# KiCad board demomatrix.kicad_pcb (continued)
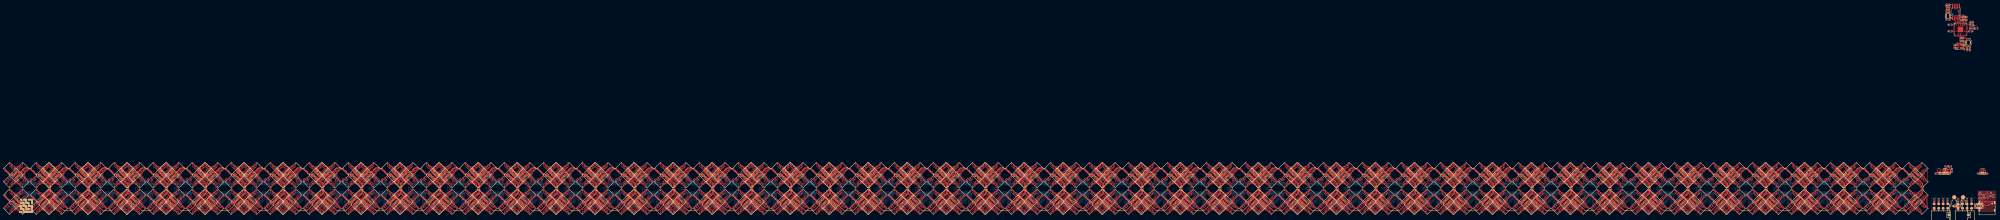
[diagram p0: board, top side]
## Placement (name value [footprint] x y rotation side) (continued)
LED294  -  [LED-SMD_8P-L5.0-W5.0-P1.20_HL-5050RGBW-S1-A27]  -862.99 24.29 315 top
LED295  -  [LED-SMD_8P-L5.0-W5.0-P1.20_HL-5050RGBW-S1-A27]  -862.99 16.89 225 top
LED296  -  [LED-SMD_8P-L5.0-W5.0-P1.20_HL-5050RGBW-S1-A27]  -870.39 16.89 135 top
LED297  -  [LED-SMD_8P-L5.0-W5.0-P1.20_HL-5050RGBW-S1-A27]  -885.39 9.29 45 top
LED298  -  [LED-SMD_8P-L5.0-W5.0-P1.20_HL-5050RGBW-S1-A27]  -877.99 9.29 315 top
LED299  -  [LED-SMD_8P-L5.0-W5.0-P1.20_HL-5050RGBW-S1-A27]  -877.99 1.89 225 top
LED300  -  [LED-SMD_8P-L5.0-W5.0-P1.20_HL-5050RGBW-S1-A27]  -885.39 1.89 135 top
LED301  -  [LED-SMD_8P-L5.0-W5.0-P1.20_HL-5050RGBW-S1-A27]  -870.39 9.29 45 top
LED302  -  [LED-SMD_8P-L5.0-W5.0-P1.20_HL-5050RGBW-S1-A27]  -862.99 9.29 315 top
LED303  -  [LED-SMD_8P-L5.0-W5.0-P1.20_HL-5050RGBW-S1-A27]  -862.99 1.89 225 top
LED304  -  [LED-SMD_8P-L5.0-W5.0-P1.20_HL-5050RGBW-S1-A27]  -870.39 1.89 135 top
LED305  -  [LED-SMD_8P-L5.0-W5.0-P1.20_HL-5050RGBW-S1-A27]  -863.39 24.29 45 top
LED306  -  [LED-SMD_8P-L5.0-W5.0-P1.20_HL-5050RGBW-S1-A27]  -855.99 24.29 315 top
LED307  -  [LED-SMD_8P-L5.0-W5.0-P1.20_HL-5050RGBW-S1-A27]  -855.99 16.89 225 top
LED308  -  [LED-SMD_8P-L5.0-W5.0-P1.20_HL-5050RGBW-S1-A27]  -863.39 16.89 135 top
LED309  -  [LED-SMD_8P-L5.0-W5.0-P1.20_HL-5050RGBW-S1-A27]  -848.39 24.29 45 top
LED310  -  [LED-SMD_8P-L5.0-W5.0-P1.20_HL-5050RGBW-S1-A27]  -840.99 24.29 315 top
LED311  -  [LED-SMD_8P-L5.0-W5.0-P1.20_HL-5050RGBW-S1-A27]  -840.99 16.89 225 top
LED312  -  [LED-SMD_8P-L5.0-W5.0-P1.20_HL-5050RGBW-S1-A27]  -848.39 16.89 135 top
LED313  -  [LED-SMD_8P-L5.0-W5.0-P1.20_HL-5050RGBW-S1-A27]  -863.39 9.29 45 top
LED314  -  [LED-SMD_8P-L5.0-W5.0-P1.20_HL-5050RGBW-S1-A27]  -855.99 9.29 315 top
LED315  -  [LED-SMD_8P-L5.0-W5.0-P1.20_HL-5050RGBW-S1-A27]  -855.99 1.89 225 top
LED316  -  [LED-SMD_8P-L5.0-W5.0-P1.20_HL-5050RGBW-S1-A27]  -863.39 1.89 135 top
LED317  -  [LED-SMD_8P-L5.0-W5.0-P1.20_HL-5050RGBW-S1-A27]  -848.39 9.29 45 top
LED318  -  [LED-SMD_8P-L5.0-W5.0-P1.20_HL-5050RGBW-S1-A27]  -840.99 9.29 315 top
LED319  -  [LED-SMD_8P-L5.0-W5.0-P1.20_HL-5050RGBW-S1-A27]  -840.99 1.89 225 top
LED320  -  [LED-SMD_8P-L5.0-W5.0-P1.20_HL-5050RGBW-S1-A27]  -848.39 1.89 135 top
LED321  -  [LED-SMD_8P-L5.0-W5.0-P1.20_HL-5050RGBW-S1-A27]  -819.39 24.29 45 top
LED322  -  [LED-SMD_8P-L5.0-W5.0-P1.20_HL-5050RGBW-S1-A27]  -811.99 24.29 315 top
LED323  -  [LED-SMD_8P-L5.0-W5.0-P1.20_HL-5050RGBW-S1-A27]  -811.99 16.89 225 top
LED324  -  [LED-SMD_8P-L5.0-W5.0-P1.20_HL-5050RGBW-S1-A27]  -819.39 16.89 135 top
LED325  -  [LED-SMD_8P-L5.0-W5.0-P1.20_HL-5050RGBW-S1-A27]  -804.39 24.29 45 top
LED326  -  [LED-SMD_8P-L5.0-W5.0-P1.20_HL-5050RGBW-S1-A27]  -796.99 24.29 315 top
LED327  -  [LED-SMD_8P-L5.0-W5.0-P1.20_HL-5050RGBW-S1-A27]  -796.99 16.89 225 top
LED328  -  [LED-SMD_8P-L5.0-W5.0-P1.20_HL-5050RGBW-S1-A27]  -804.39 16.89 135 top
LED329  -  [LED-SMD_8P-L5.0-W5.0-P1.20_HL-5050RGBW-S1-A27]  -819.39 9.29 45 top
LED330  -  [LED-SMD_8P-L5.0-W5.0-P1.20_HL-5050RGBW-S1-A27]  -811.99 9.29 315 top
LED331  -  [LED-SMD_8P-L5.0-W5.0-P1.20_HL-5050RGBW-S1-A27]  -811.99 1.89 225 top
LED332  -  [LED-SMD_8P-L5.0-W5.0-P1.20_HL-5050RGBW-S1-A27]  -819.39 1.89 135 top
LED333  -  [LED-SMD_8P-L5.0-W5.0-P1.20_HL-5050RGBW-S1-A27]  -804.39 9.29 45 top
LED334  -  [LED-SMD_8P-L5.0-W5.0-P1.20_HL-5050RGBW-S1-A27]  -796.99 9.29 315 top
LED335  -  [LED-SMD_8P-L5.0-W5.0-P1.20_HL-5050RGBW-S1-A27]  -796.99 1.89 225 top
LED336  -  [LED-SMD_8P-L5.0-W5.0-P1.20_HL-5050RGBW-S1-A27]  -804.39 1.89 135 top
LED337  -  [LED-SMD_8P-L5.0-W5.0-P1.20_HL-5050RGBW-S1-A27]  -797.39 24.29 45 top
LED338  -  [LED-SMD_8P-L5.0-W5.0-P1.20_HL-5050RGBW-S1-A27]  -789.99 24.29 315 top
LED339  -  [LED-SMD_8P-L5.0-W5.0-P1.20_HL-5050RGBW-S1-A27]  -789.99 16.89 225 top
LED340  -  [LED-SMD_8P-L5.0-W5.0-P1.20_HL-5050RGBW-S1-A27]  -797.39 16.89 135 top
LED341  -  [LED-SMD_8P-L5.0-W5.0-P1.20_HL-5050RGBW-S1-A27]  -782.39 24.29 45 top
LED342  -  [LED-SMD_8P-L5.0-W5.0-P1.20_HL-5050RGBW-S1-A27]  -774.99 24.29 315 top
LED343  -  [LED-SMD_8P-L5.0-W5.0-P1.20_HL-5050RGBW-S1-A27]  -774.99 16.89 225 top
LED344  -  [LED-SMD_8P-L5.0-W5.0-P1.20_HL-5050RGBW-S1-A27]  -782.39 16.89 135 top
LED345  -  [LED-SMD_8P-L5.0-W5.0-P1.20_HL-5050RGBW-S1-A27]  -797.39 9.29 45 top
LED346  -  [LED-SMD_8P-L5.0-W5.0-P1.20_HL-5050RGBW-S1-A27]  -789.99 9.29 315 top
LED347  -  [LED-SMD_8P-L5.0-W5.0-P1.20_HL-5050RGBW-S1-A27]  -789.99 1.89 225 top
LED348  -  [LED-SMD_8P-L5.0-W5.0-P1.20_HL-5050RGBW-S1-A27]  -797.39 1.89 135 top
LED349  -  [LED-SMD_8P-L5.0-W5.0-P1.20_HL-5050RGBW-S1-A27]  -782.39 9.29 45 top
LED350  -  [LED-SMD_8P-L5.0-W5.0-P1.20_HL-5050RGBW-S1-A27]  -774.99 9.29 315 top
LED351  -  [LED-SMD_8P-L5.0-W5.0-P1.20_HL-5050RGBW-S1-A27]  -774.99 1.89 225 top
LED352  -  [LED-SMD_8P-L5.0-W5.0-P1.20_HL-5050RGBW-S1-A27]  -782.39 1.89 135 top
LED353  -  [LED-SMD_8P-L5.0-W5.0-P1.20_HL-5050RGBW-S1-A27]  -775.39 24.29 45 top
LED354  -  [LED-SMD_8P-L5.0-W5.0-P1.20_HL-5050RGBW-S1-A27]  -767.99 24.29 315 top
LED355  -  [LED-SMD_8P-L5.0-W5.0-P1.20_HL-5050RGBW-S1-A27]  -767.99 16.89 225 top
LED356  -  [LED-SMD_8P-L5.0-W5.0-P1.20_HL-5050RGBW-S1-A27]  -775.39 16.89 135 top
LED357  -  [LED-SMD_8P-L5.0-W5.0-P1.20_HL-5050RGBW-S1-A27]  -760.39 24.29 45 top
LED358  -  [LED-SMD_8P-L5.0-W5.0-P1.20_HL-5050RGBW-S1-A27]  -752.99 24.29 315 top
LED359  -  [LED-SMD_8P-L5.0-W5.0-P1.20_HL-5050RGBW-S1-A27]  -752.99 16.89 225 top
LED360  -  [LED-SMD_8P-L5.0-W5.0-P1.20_HL-5050RGBW-S1-A27]  -760.39 16.89 135 top
LED361  -  [LED-SMD_8P-L5.0-W5.0-P1.20_HL-5050RGBW-S1-A27]  -775.39 9.29 45 top
LED362  -  [LED-SMD_8P-L5.0-W5.0-P1.20_HL-5050RGBW-S1-A27]  -767.99 9.29 315 top
LED363  -  [LED-SMD_8P-L5.0-W5.0-P1.20_HL-5050RGBW-S1-A27]  -767.99 1.89 225 top
LED364  -  [LED-SMD_8P-L5.0-W5.0-P1.20_HL-5050RGBW-S1-A27]  -775.39 1.89 135 top
LED365  -  [LED-SMD_8P-L5.0-W5.0-P1.20_HL-5050RGBW-S1-A27]  -760.39 9.29 45 top
LED366  -  [LED-SMD_8P-L5.0-W5.0-P1.20_HL-5050RGBW-S1-A27]  -752.99 9.29 315 top
LED367  -  [LED-SMD_8P-L5.0-W5.0-P1.20_HL-5050RGBW-S1-A27]  -752.99 1.89 225 top
LED368  -  [LED-SMD_8P-L5.0-W5.0-P1.20_HL-5050RGBW-S1-A27]  -760.39 1.89 135 top
LED369  -  [LED-SMD_8P-L5.0-W5.0-P1.20_HL-5050RGBW-S1-A27]  -753.39 24.29 45 top
LED370  -  [LED-SMD_8P-L5.0-W5.0-P1.20_HL-5050RGBW-S1-A27]  -745.99 24.29 315 top
LED371  -  [LED-SMD_8P-L5.0-W5.0-P1.20_HL-5050RGBW-S1-A27]  -745.99 16.89 225 top
LED372  -  [LED-SMD_8P-L5.0-W5.0-P1.20_HL-5050RGBW-S1-A27]  -753.39 16.89 135 top
LED373  -  [LED-SMD_8P-L5.0-W5.0-P1.20_HL-5050RGBW-S1-A27]  -738.39 24.29 45 top
LED374  -  [LED-SMD_8P-L5.0-W5.0-P1.20_HL-5050RGBW-S1-A27]  -730.99 24.29 315 top
LED375  -  [LED-SMD_8P-L5.0-W5.0-P1.20_HL-5050RGBW-S1-A27]  -730.99 16.89 225 top
LED376  -  [LED-SMD_8P-L5.0-W5.0-P1.20_HL-5050RGBW-S1-A27]  -738.39 16.89 135 top
LED377  -  [LED-SMD_8P-L5.0-W5.0-P1.20_HL-5050RGBW-S1-A27]  -753.39 9.29 45 top
LED378  -  [LED-SMD_8P-L5.0-W5.0-P1.20_HL-5050RGBW-S1-A27]  -745.99 9.29 315 top
LED379  -  [LED-SMD_8P-L5.0-W5.0-P1.20_HL-5050RGBW-S1-A27]  -745.99 1.89 225 top
LED380  -  [LED-SMD_8P-L5.0-W5.0-P1.20_HL-5050RGBW-S1-A27]  -753.39 1.89 135 top
LED381  -  [LED-SMD_8P-L5.0-W5.0-P1.20_HL-5050RGBW-S1-A27]  -738.39 9.29 45 top
LED382  -  [LED-SMD_8P-L5.0-W5.0-P1.20_HL-5050RGBW-S1-A27]  -730.99 9.29 315 top
LED383  -  [LED-SMD_8P-L5.0-W5.0-P1.20_HL-5050RGBW-S1-A27]  -730.99 1.89 225 top
LED384  -  [LED-SMD_8P-L5.0-W5.0-P1.20_HL-5050RGBW-S1-A27]  -738.39 1.89 135 top
LED385  -  [LED-SMD_8P-L5.0-W5.0-P1.20_HL-5050RGBW-S1-A27]  -731.39 24.29 45 top
LED386  -  [LED-SMD_8P-L5.0-W5.0-P1.20_HL-5050RGBW-S1-A27]  -723.99 24.29 315 top
LED387  -  [LED-SMD_8P-L5.0-W5.0-P1.20_HL-5050RGBW-S1-A27]  -723.99 16.89 225 top
LED388  -  [LED-SMD_8P-L5.0-W5.0-P1.20_HL-5050RGBW-S1-A27]  -731.39 16.89 135 top
LED389  -  [LED-SMD_8P-L5.0-W5.0-P1.20_HL-5050RGBW-S1-A27]  -716.39 24.29 45 top
LED390  -  [LED-SMD_8P-L5.0-W5.0-P1.20_HL-5050RGBW-S1-A27]  -708.99 24.29 315 top
LED391  -  [LED-SMD_8P-L5.0-W5.0-P1.20_HL-5050RGBW-S1-A27]  -708.99 16.89 225 top
LED392  -  [LED-SMD_8P-L5.0-W5.0-P1.20_HL-5050RGBW-S1-A27]  -716.39 16.89 135 top
LED393  -  [LED-SMD_8P-L5.0-W5.0-P1.20_HL-5050RGBW-S1-A27]  -731.39 9.29 45 top
LED394  -  [LED-SMD_8P-L5.0-W5.0-P1.20_HL-5050RGBW-S1-A27]  -723.99 9.29 315 top
LED395  -  [LED-SMD_8P-L5.0-W5.0-P1.20_HL-5050RGBW-S1-A27]  -723.99 1.89 225 top
LED396  -  [LED-SMD_8P-L5.0-W5.0-P1.20_HL-5050RGBW-S1-A27]  -731.39 1.89 135 top
LED397  -  [LED-SMD_8P-L5.0-W5.0-P1.20_HL-5050RGBW-S1-A27]  -716.39 9.29 45 top
LED398  -  [LED-SMD_8P-L5.0-W5.0-P1.20_HL-5050RGBW-S1-A27]  -708.99 9.29 315 top
LED399  -  [LED-SMD_8P-L5.0-W5.0-P1.20_HL-5050RGBW-S1-A27]  -708.99 1.89 225 top
LED400  -  [LED-SMD_8P-L5.0-W5.0-P1.20_HL-5050RGBW-S1-A27]  -716.39 1.89 135 top
LED401  -  [LED-SMD_8P-L5.0-W5.0-P1.20_HL-5050RGBW-S1-A27]  -709.39 24.29 45 top
LED402  -  [LED-SMD_8P-L5.0-W5.0-P1.20_HL-5050RGBW-S1-A27]  -701.99 24.29 315 top
LED403  -  [LED-SMD_8P-L5.0-W5.0-P1.20_HL-5050RGBW-S1-A27]  -701.99 16.89 225 top
LED404  -  [LED-SMD_8P-L5.0-W5.0-P1.20_HL-5050RGBW-S1-A27]  -709.39 16.89 135 top
LED405  -  [LED-SMD_8P-L5.0-W5.0-P1.20_HL-5050RGBW-S1-A27]  -694.39 24.29 45 top
LED406  -  [LED-SMD_8P-L5.0-W5.0-P1.20_HL-5050RGBW-S1-A27]  -686.99 24.29 315 top
LED407  -  [LED-SMD_8P-L5.0-W5.0-P1.20_HL-5050RGBW-S1-A27]  -686.99 16.89 225 top
LED408  -  [LED-SMD_8P-L5.0-W5.0-P1.20_HL-5050RGBW-S1-A27]  -694.39 16.89 135 top
LED409  -  [LED-SMD_8P-L5.0-W5.0-P1.20_HL-5050RGBW-S1-A27]  -709.39 9.29 45 top
LED410  -  [LED-SMD_8P-L5.0-W5.0-P1.20_HL-5050RGBW-S1-A27]  -701.99 9.29 315 top
LED411  -  [LED-SMD_8P-L5.0-W5.0-P1.20_HL-5050RGBW-S1-A27]  -701.99 1.89 225 top
LED412  -  [LED-SMD_8P-L5.0-W5.0-P1.20_HL-5050RGBW-S1-A27]  -709.39 1.89 135 top
LED413  -  [LED-SMD_8P-L5.0-W5.0-P1.20_HL-5050RGBW-S1-A27]  -694.39 9.29 45 top
LED414  -  [LED-SMD_8P-L5.0-W5.0-P1.20_HL-5050RGBW-S1-A27]  -686.99 9.29 315 top
LED415  -  [LED-SMD_8P-L5.0-W5.0-P1.20_HL-5050RGBW-S1-A27]  -686.99 1.89 225 top
LED416  -  [LED-SMD_8P-L5.0-W5.0-P1.20_HL-5050RGBW-S1-A27]  -694.39 1.89 135 top
LED417  -  [LED-SMD_8P-L5.0-W5.0-P1.20_HL-5050RGBW-S1-A27]  -687.39 24.29 45 top
LED418  -  [LED-SMD_8P-L5.0-W5.0-P1.20_HL-5050RGBW-S1-A27]  -679.99 24.29 315 top
LED419  -  [LED-SMD_8P-L5.0-W5.0-P1.20_HL-5050RGBW-S1-A27]  -679.99 16.89 225 top
LED420  -  [LED-SMD_8P-L5.0-W5.0-P1.20_HL-5050RGBW-S1-A27]  -687.39 16.89 135 top
LED421  -  [LED-SMD_8P-L5.0-W5.0-P1.20_HL-5050RGBW-S1-A27]  -672.39 24.29 45 top
LED422  -  [LED-SMD_8P-L5.0-W5.0-P1.20_HL-5050RGBW-S1-A27]  -664.99 24.29 315 top
LED423  -  [LED-SMD_8P-L5.0-W5.0-P1.20_HL-5050RGBW-S1-A27]  -664.99 16.89 225 top
LED424  -  [LED-SMD_8P-L5.0-W5.0-P1.20_HL-5050RGBW-S1-A27]  -672.39 16.89 135 top
LED425  -  [LED-SMD_8P-L5.0-W5.0-P1.20_HL-5050RGBW-S1-A27]  -687.39 9.29 45 top
LED426  -  [LED-SMD_8P-L5.0-W5.0-P1.20_HL-5050RGBW-S1-A27]  -679.99 9.29 315 top
LED427  -  [LED-SMD_8P-L5.0-W5.0-P1.20_HL-5050RGBW-S1-A27]  -679.99 1.89 225 top
LED428  -  [LED-SMD_8P-L5.0-W5.0-P1.20_HL-5050RGBW-S1-A27]  -687.39 1.89 135 top
LED429  -  [LED-SMD_8P-L5.0-W5.0-P1.20_HL-5050RGBW-S1-A27]  -672.39 9.29 45 top
LED430  -  [LED-SMD_8P-L5.0-W5.0-P1.20_HL-5050RGBW-S1-A27]  -664.99 9.29 315 top
LED431  -  [LED-SMD_8P-L5.0-W5.0-P1.20_HL-5050RGBW-S1-A27]  -664.99 1.89 225 top
LED432  -  [LED-SMD_8P-L5.0-W5.0-P1.20_HL-5050RGBW-S1-A27]  -672.39 1.89 135 top
LED433  -  [LED-SMD_8P-L5.0-W5.0-P1.20_HL-5050RGBW-S1-A27]  -665.39 24.29 45 top
LED434  -  [LED-SMD_8P-L5.0-W5.0-P1.20_HL-5050RGBW-S1-A27]  -657.99 24.29 315 top
LED435  -  [LED-SMD_8P-L5.0-W5.0-P1.20_HL-5050RGBW-S1-A27]  -657.99 16.89 225 top
LED436  -  [LED-SMD_8P-L5.0-W5.0-P1.20_HL-5050RGBW-S1-A27]  -665.39 16.89 135 top
LED437  -  [LED-SMD_8P-L5.0-W5.0-P1.20_HL-5050RGBW-S1-A27]  -650.39 24.29 45 top
LED438  -  [LED-SMD_8P-L5.0-W5.0-P1.20_HL-5050RGBW-S1-A27]  -642.99 24.29 315 top
LED439  -  [LED-SMD_8P-L5.0-W5.0-P1.20_HL-5050RGBW-S1-A27]  -642.99 16.89 225 top
LED440  -  [LED-SMD_8P-L5.0-W5.0-P1.20_HL-5050RGBW-S1-A27]  -650.39 16.89 135 top
LED441  -  [LED-SMD_8P-L5.0-W5.0-P1.20_HL-5050RGBW-S1-A27]  -665.39 9.29 45 top
LED442  -  [LED-SMD_8P-L5.0-W5.0-P1.20_HL-5050RGBW-S1-A27]  -657.99 9.29 315 top
LED443  -  [LED-SMD_8P-L5.0-W5.0-P1.20_HL-5050RGBW-S1-A27]  -657.99 1.89 225 top
LED444  -  [LED-SMD_8P-L5.0-W5.0-P1.20_HL-5050RGBW-S1-A27]  -665.39 1.89 135 top
LED445  -  [LED-SMD_8P-L5.0-W5.0-P1.20_HL-5050RGBW-S1-A27]  -650.39 9.29 45 top
LED446  -  [LED-SMD_8P-L5.0-W5.0-P1.20_HL-5050RGBW-S1-A27]  -642.99 9.29 315 top
LED447  -  [LED-SMD_8P-L5.0-W5.0-P1.20_HL-5050RGBW-S1-A27]  -642.99 1.89 225 top
LED448  -  [LED-SMD_8P-L5.0-W5.0-P1.20_HL-5050RGBW-S1-A27]  -650.39 1.89 135 top
LED449  -  [LED-SMD_8P-L5.0-W5.0-P1.20_HL-5050RGBW-S1-A27]  -643.39 24.29 45 top
LED450  -  [LED-SMD_8P-L5.0-W5.0-P1.20_HL-5050RGBW-S1-A27]  -635.99 24.29 315 top
LED451  -  [LED-SMD_8P-L5.0-W5.0-P1.20_HL-5050RGBW-S1-A27]  -635.99 16.89 225 top
LED452  -  [LED-SMD_8P-L5.0-W5.0-P1.20_HL-5050RGBW-S1-A27]  -643.39 16.89 135 top
LED453  -  [LED-SMD_8P-L5.0-W5.0-P1.20_HL-5050RGBW-S1-A27]  -628.39 24.29 45 top
LED454  -  [LED-SMD_8P-L5.0-W5.0-P1.20_HL-5050RGBW-S1-A27]  -620.99 24.29 315 top
LED455  -  [LED-SMD_8P-L5.0-W5.0-P1.20_HL-5050RGBW-S1-A27]  -620.99 16.89 225 top
LED456  -  [LED-SMD_8P-L5.0-W5.0-P1.20_HL-5050RGBW-S1-A27]  -628.39 16.89 135 top
LED457  -  [LED-SMD_8P-L5.0-W5.0-P1.20_HL-5050RGBW-S1-A27]  -643.39 9.29 45 top
LED458  -  [LED-SMD_8P-L5.0-W5.0-P1.20_HL-5050RGBW-S1-A27]  -635.99 9.29 315 top
LED459  -  [LED-SMD_8P-L5.0-W5.0-P1.20_HL-5050RGBW-S1-A27]  -635.99 1.89 225 top
LED460  -  [LED-SMD_8P-L5.0-W5.0-P1.20_HL-5050RGBW-S1-A27]  -643.39 1.89 135 top
LED461  -  [LED-SMD_8P-L5.0-W5.0-P1.20_HL-5050RGBW-S1-A27]  -628.39 9.29 45 top
LED462  -  [LED-SMD_8P-L5.0-W5.0-P1.20_HL-5050RGBW-S1-A27]  -620.99 9.29 315 top
LED463  -  [LED-SMD_8P-L5.0-W5.0-P1.20_HL-5050RGBW-S1-A27]  -620.99 1.89 225 top
LED464  -  [LED-SMD_8P-L5.0-W5.0-P1.20_HL-5050RGBW-S1-A27]  -628.39 1.89 135 top
LED465  -  [LED-SMD_8P-L5.0-W5.0-P1.20_HL-5050RGBW-S1-A27]  -621.39 24.29 45 top
LED466  -  [LED-SMD_8P-L5.0-W5.0-P1.20_HL-5050RGBW-S1-A27]  -613.99 24.29 315 top
LED467  -  [LED-SMD_8P-L5.0-W5.0-P1.20_HL-5050RGBW-S1-A27]  -613.99 16.89 225 top
LED468  -  [LED-SMD_8P-L5.0-W5.0-P1.20_HL-5050RGBW-S1-A27]  -621.39 16.89 135 top
LED469  -  [LED-SMD_8P-L5.0-W5.0-P1.20_HL-5050RGBW-S1-A27]  -606.39 24.29 45 top
LED470  -  [LED-SMD_8P-L5.0-W5.0-P1.20_HL-5050RGBW-S1-A27]  -598.99 24.29 315 top
LED471  -  [LED-SMD_8P-L5.0-W5.0-P1.20_HL-5050RGBW-S1-A27]  -598.99 16.89 225 top
LED472  -  [LED-SMD_8P-L5.0-W5.0-P1.20_HL-5050RGBW-S1-A27]  -606.39 16.89 135 top
LED473  -  [LED-SMD_8P-L5.0-W5.0-P1.20_HL-5050RGBW-S1-A27]  -621.39 9.29 45 top
LED474  -  [LED-SMD_8P-L5.0-W5.0-P1.20_HL-5050RGBW-S1-A27]  -613.99 9.29 315 top
LED475  -  [LED-SMD_8P-L5.0-W5.0-P1.20_HL-5050RGBW-S1-A27]  -613.99 1.89 225 top
LED476  -  [LED-SMD_8P-L5.0-W5.0-P1.20_HL-5050RGBW-S1-A27]  -621.39 1.89 135 top
LED477  -  [LED-SMD_8P-L5.0-W5.0-P1.20_HL-5050RGBW-S1-A27]  -606.39 9.29 45 top
LED478  -  [LED-SMD_8P-L5.0-W5.0-P1.20_HL-5050RGBW-S1-A27]  -598.99 9.29 315 top
LED479  -  [LED-SMD_8P-L5.0-W5.0-P1.20_HL-5050RGBW-S1-A27]  -598.99 1.89 225 top
LED480  -  [LED-SMD_8P-L5.0-W5.0-P1.20_HL-5050RGBW-S1-A27]  -606.39 1.89 135 top
LED481  -  [LED-SMD_8P-L5.0-W5.0-P1.20_HL-5050RGBW-S1-A27]  -577.39 24.29 45 top
LED482  -  [LED-SMD_8P-L5.0-W5.0-P1.20_HL-5050RGBW-S1-A27]  -569.99 24.29 315 top
LED483  -  [LED-SMD_8P-L5.0-W5.0-P1.20_HL-5050RGBW-S1-A27]  -569.99 16.89 225 top
LED484  -  [LED-SMD_8P-L5.0-W5.0-P1.20_HL-5050RGBW-S1-A27]  -577.39 16.89 135 top
LED485  -  [LED-SMD_8P-L5.0-W5.0-P1.20_HL-5050RGBW-S1-A27]  -562.39 24.29 45 top
LED486  -  [LED-SMD_8P-L5.0-W5.0-P1.20_HL-5050RGBW-S1-A27]  -554.99 24.29 315 top
LED487  -  [LED-SMD_8P-L5.0-W5.0-P1.20_HL-5050RGBW-S1-A27]  -554.99 16.89 225 top
LED488  -  [LED-SMD_8P-L5.0-W5.0-P1.20_HL-5050RGBW-S1-A27]  -562.39 16.89 135 top
LED489  -  [LED-SMD_8P-L5.0-W5.0-P1.20_HL-5050RGBW-S1-A27]  -577.39 9.29 45 top
LED490  -  [LED-SMD_8P-L5.0-W5.0-P1.20_HL-5050RGBW-S1-A27]  -569.99 9.29 315 top
LED491  -  [LED-SMD_8P-L5.0-W5.0-P1.20_HL-5050RGBW-S1-A27]  -569.99 1.89 225 top
LED492  -  [LED-SMD_8P-L5.0-W5.0-P1.20_HL-5050RGBW-S1-A27]  -577.39 1.89 135 top
LED493  -  [LED-SMD_8P-L5.0-W5.0-P1.20_HL-5050RGBW-S1-A27]  -562.39 9.29 45 top
LED494  -  [LED-SMD_8P-L5.0-W5.0-P1.20_HL-5050RGBW-S1-A27]  -554.99 9.29 315 top
LED495  -  [LED-SMD_8P-L5.0-W5.0-P1.20_HL-5050RGBW-S1-A27]  -554.99 1.89 225 top
LED496  -  [LED-SMD_8P-L5.0-W5.0-P1.20_HL-5050RGBW-S1-A27]  -562.39 1.89 135 top
LED497  -  [LED-SMD_8P-L5.0-W5.0-P1.20_HL-5050RGBW-S1-A27]  -555.39 24.29 45 top
LED498  -  [LED-SMD_8P-L5.0-W5.0-P1.20_HL-5050RGBW-S1-A27]  -547.99 24.29 315 top
LED499  -  [LED-SMD_8P-L5.0-W5.0-P1.20_HL-5050RGBW-S1-A27]  -547.99 16.89 225 top
LED500  -  [LED-SMD_8P-L5.0-W5.0-P1.20_HL-5050RGBW-S1-A27]  -555.39 16.89 135 top
LED501  -  [LED-SMD_8P-L5.0-W5.0-P1.20_HL-5050RGBW-S1-A27]  -540.39 24.29 45 top
LED502  -  [LED-SMD_8P-L5.0-W5.0-P1.20_HL-5050RGBW-S1-A27]  -532.99 24.29 315 top
LED503  -  [LED-SMD_8P-L5.0-W5.0-P1.20_HL-5050RGBW-S1-A27]  -532.99 16.89 225 top
LED504  -  [LED-SMD_8P-L5.0-W5.0-P1.20_HL-5050RGBW-S1-A27]  -540.39 16.89 135 top
LED505  -  [LED-SMD_8P-L5.0-W5.0-P1.20_HL-5050RGBW-S1-A27]  -555.39 9.29 45 top
LED506  -  [LED-SMD_8P-L5.0-W5.0-P1.20_HL-5050RGBW-S1-A27]  -547.99 9.29 315 top
LED507  -  [LED-SMD_8P-L5.0-W5.0-P1.20_HL-5050RGBW-S1-A27]  -547.99 1.89 225 top
LED508  -  [LED-SMD_8P-L5.0-W5.0-P1.20_HL-5050RGBW-S1-A27]  -555.39 1.89 135 top
LED509  -  [LED-SMD_8P-L5.0-W5.0-P1.20_HL-5050RGBW-S1-A27]  -540.39 9.29 45 top
LED510  -  [LED-SMD_8P-L5.0-W5.0-P1.20_HL-5050RGBW-S1-A27]  -532.99 9.29 315 top
LED511  -  [LED-SMD_8P-L5.0-W5.0-P1.20_HL-5050RGBW-S1-A27]  -532.99 1.89 225 top
LED512  -  [LED-SMD_8P-L5.0-W5.0-P1.20_HL-5050RGBW-S1-A27]  -540.39 1.89 135 top
LED513  -  [LED-SMD_8P-L5.0-W5.0-P1.20_HL-5050RGBW-S1-A27]  -533.39 24.29 45 top
LED514  -  [LED-SMD_8P-L5.0-W5.0-P1.20_HL-5050RGBW-S1-A27]  -525.99 24.29 315 top
LED515  -  [LED-SMD_8P-L5.0-W5.0-P1.20_HL-5050RGBW-S1-A27]  -525.99 16.89 225 top
LED516  -  [LED-SMD_8P-L5.0-W5.0-P1.20_HL-5050RGBW-S1-A27]  -533.39 16.89 135 top
LED517  -  [LED-SMD_8P-L5.0-W5.0-P1.20_HL-5050RGBW-S1-A27]  -518.39 24.29 45 top
LED518  -  [LED-SMD_8P-L5.0-W5.0-P1.20_HL-5050RGBW-S1-A27]  -510.99 24.29 315 top
LED519  -  [LED-SMD_8P-L5.0-W5.0-P1.20_HL-5050RGBW-S1-A27]  -510.99 16.89 225 top
LED520  -  [LED-SMD_8P-L5.0-W5.0-P1.20_HL-5050RGBW-S1-A27]  -518.39 16.89 135 top
LED521  -  [LED-SMD_8P-L5.0-W5.0-P1.20_HL-5050RGBW-S1-A27]  -533.39 9.29 45 top
LED522  -  [LED-SMD_8P-L5.0-W5.0-P1.20_HL-5050RGBW-S1-A27]  -525.99 9.29 315 top
LED523  -  [LED-SMD_8P-L5.0-W5.0-P1.20_HL-5050RGBW-S1-A27]  -525.99 1.89 225 top
LED524  -  [LED-SMD_8P-L5.0-W5.0-P1.20_HL-5050RGBW-S1-A27]  -533.39 1.89 135 top
LED525  -  [LED-SMD_8P-L5.0-W5.0-P1.20_HL-5050RGBW-S1-A27]  -518.39 9.29 45 top
LED526  -  [LED-SMD_8P-L5.0-W5.0-P1.20_HL-5050RGBW-S1-A27]  -510.99 9.29 315 top
LED527  -  [LED-SMD_8P-L5.0-W5.0-P1.20_HL-5050RGBW-S1-A27]  -510.99 1.89 225 top
LED528  -  [LED-SMD_8P-L5.0-W5.0-P1.20_HL-5050RGBW-S1-A27]  -518.39 1.89 135 top
LED529  -  [LED-SMD_8P-L5.0-W5.0-P1.20_HL-5050RGBW-S1-A27]  -511.39 24.29 45 top
LED530  -  [LED-SMD_8P-L5.0-W5.0-P1.20_HL-5050RGBW-S1-A27]  -503.99 24.29 315 top
LED531  -  [LED-SMD_8P-L5.0-W5.0-P1.20_HL-5050RGBW-S1-A27]  -503.99 16.89 225 top
LED532  -  [LED-SMD_8P-L5.0-W5.0-P1.20_HL-5050RGBW-S1-A27]  -511.39 16.89 135 top
LED533  -  [LED-SMD_8P-L5.0-W5.0-P1.20_HL-5050RGBW-S1-A27]  -496.39 24.29 45 top
LED534  -  [LED-SMD_8P-L5.0-W5.0-P1.20_HL-5050RGBW-S1-A27]  -488.99 24.29 315 top
LED535  -  [LED-SMD_8P-L5.0-W5.0-P1.20_HL-5050RGBW-S1-A27]  -488.99 16.89 225 top
LED536  -  [LED-SMD_8P-L5.0-W5.0-P1.20_HL-5050RGBW-S1-A27]  -496.39 16.89 135 top
LED537  -  [LED-SMD_8P-L5.0-W5.0-P1.20_HL-5050RGBW-S1-A27]  -511.39 9.29 45 top
LED538  -  [LED-SMD_8P-L5.0-W5.0-P1.20_HL-5050RGBW-S1-A27]  -503.99 9.29 315 top
LED539  -  [LED-SMD_8P-L5.0-W5.0-P1.20_HL-5050RGBW-S1-A27]  -503.99 1.89 225 top
LED540  -  [LED-SMD_8P-L5.0-W5.0-P1.20_HL-5050RGBW-S1-A27]  -511.39 1.89 135 top
LED541  -  [LED-SMD_8P-L5.0-W5.0-P1.20_HL-5050RGBW-S1-A27]  -496.39 9.29 45 top
LED542  -  [LED-SMD_8P-L5.0-W5.0-P1.20_HL-5050RGBW-S1-A27]  -488.99 9.29 315 top
LED543  -  [LED-SMD_8P-L5.0-W5.0-P1.20_HL-5050RGBW-S1-A27]  -488.99 1.89 225 top
LED544  -  [LED-SMD_8P-L5.0-W5.0-P1.20_HL-5050RGBW-S1-A27]  -496.39 1.89 135 top
LED545  -  [LED-SMD_8P-L5.0-W5.0-P1.20_HL-5050RGBW-S1-A27]  -489.39 24.29 45 top
LED546  -  [LED-SMD_8P-L5.0-W5.0-P1.20_HL-5050RGBW-S1-A27]  -481.99 24.29 315 top
LED547  -  [LED-SMD_8P-L5.0-W5.0-P1.20_HL-5050RGBW-S1-A27]  -481.99 16.89 225 top
LED548  -  [LED-SMD_8P-L5.0-W5.0-P1.20_HL-5050RGBW-S1-A27]  -489.39 16.89 135 top
LED549  -  [LED-SMD_8P-L5.0-W5.0-P1.20_HL-5050RGBW-S1-A27]  -474.39 24.29 45 top
LED550  -  [LED-SMD_8P-L5.0-W5.0-P1.20_HL-5050RGBW-S1-A27]  -466.99 24.29 315 top
LED551  -  [LED-SMD_8P-L5.0-W5.0-P1.20_HL-5050RGBW-S1-A27]  -466.99 16.89 225 top
LED552  -  [LED-SMD_8P-L5.0-W5.0-P1.20_HL-5050RGBW-S1-A27]  -474.39 16.89 135 top
LED553  -  [LED-SMD_8P-L5.0-W5.0-P1.20_HL-5050RGBW-S1-A27]  -489.39 9.29 45 top
LED554  -  [LED-SMD_8P-L5.0-W5.0-P1.20_HL-5050RGBW-S1-A27]  -481.99 9.29 315 top
LED555  -  [LED-SMD_8P-L5.0-W5.0-P1.20_HL-5050RGBW-S1-A27]  -481.99 1.89 225 top
LED556  -  [LED-SMD_8P-L5.0-W5.0-P1.20_HL-5050RGBW-S1-A27]  -489.39 1.89 135 top
LED557  -  [LED-SMD_8P-L5.0-W5.0-P1.20_HL-5050RGBW-S1-A27]  -474.39 9.29 45 top
LED558  -  [LED-SMD_8P-L5.0-W5.0-P1.20_HL-5050RGBW-S1-A27]  -466.99 9.29 315 top
LED559  -  [LED-SMD_8P-L5.0-W5.0-P1.20_HL-5050RGBW-S1-A27]  -466.99 1.89 225 top
LED560  -  [LED-SMD_8P-L5.0-W5.0-P1.20_HL-5050RGBW-S1-A27]  -474.39 1.89 135 top
LED561  -  [LED-SMD_8P-L5.0-W5.0-P1.20_HL-5050RGBW-S1-A27]  -467.39 24.29 45 top
LED562  -  [LED-SMD_8P-L5.0-W5.0-P1.20_HL-5050RGBW-S1-A27]  -459.99 24.29 315 top
LED563  -  [LED-SMD_8P-L5.0-W5.0-P1.20_HL-5050RGBW-S1-A27]  -459.99 16.89 225 top
LED564  -  [LED-SMD_8P-L5.0-W5.0-P1.20_HL-5050RGBW-S1-A27]  -467.39 16.89 135 top
LED565  -  [LED-SMD_8P-L5.0-W5.0-P1.20_HL-5050RGBW-S1-A27]  -452.39 24.29 45 top
LED566  -  [LED-SMD_8P-L5.0-W5.0-P1.20_HL-5050RGBW-S1-A27]  -444.99 24.29 315 top
LED567  -  [LED-SMD_8P-L5.0-W5.0-P1.20_HL-5050RGBW-S1-A27]  -444.99 16.89 225 top
LED568  -  [LED-SMD_8P-L5.0-W5.0-P1.20_HL-5050RGBW-S1-A27]  -452.39 16.89 135 top
LED569  -  [LED-SMD_8P-L5.0-W5.0-P1.20_HL-5050RGBW-S1-A27]  -467.39 9.29 45 top
LED570  -  [LED-SMD_8P-L5.0-W5.0-P1.20_HL-5050RGBW-S1-A27]  -459.99 9.29 315 top
LED571  -  [LED-SMD_8P-L5.0-W5.0-P1.20_HL-5050RGBW-S1-A27]  -459.99 1.89 225 top
LED572  -  [LED-SMD_8P-L5.0-W5.0-P1.20_HL-5050RGBW-S1-A27]  -467.39 1.89 135 top
LED573  -  [LED-SMD_8P-L5.0-W5.0-P1.20_HL-5050RGBW-S1-A27]  -452.39 9.29 45 top
LED574  -  [LED-SMD_8P-L5.0-W5.0-P1.20_HL-5050RGBW-S1-A27]  -444.99 9.29 315 top
LED575  -  [LED-SMD_8P-L5.0-W5.0-P1.20_HL-5050RGBW-S1-A27]  -444.99 1.89 225 top
LED576  -  [LED-SMD_8P-L5.0-W5.0-P1.20_HL-5050RGBW-S1-A27]  -452.39 1.89 135 top
LED577  -  [LED-SMD_8P-L5.0-W5.0-P1.20_HL-5050RGBW-S1-A27]  -445.39 24.29 45 top
LED578  -  [LED-SMD_8P-L5.0-W5.0-P1.20_HL-5050RGBW-S1-A27]  -437.99 24.29 315 top
LED579  -  [LED-SMD_8P-L5.0-W5.0-P1.20_HL-5050RGBW-S1-A27]  -437.99 16.89 225 top
LED580  -  [LED-SMD_8P-L5.0-W5.0-P1.20_HL-5050RGBW-S1-A27]  -445.39 16.89 135 top
LED581  -  [LED-SMD_8P-L5.0-W5.0-P1.20_HL-5050RGBW-S1-A27]  -430.39 24.29 45 top
LED582  -  [LED-SMD_8P-L5.0-W5.0-P1.20_HL-5050RGBW-S1-A27]  -422.99 24.29 315 top
LED583  -  [LED-SMD_8P-L5.0-W5.0-P1.20_HL-5050RGBW-S1-A27]  -422.99 16.89 225 top
LED584  -  [LED-SMD_8P-L5.0-W5.0-P1.20_HL-5050RGBW-S1-A27]  -430.39 16.89 135 top
LED585  -  [LED-SMD_8P-L5.0-W5.0-P1.20_HL-5050RGBW-S1-A27]  -445.39 9.29 45 top
LED586  -  [LED-SMD_8P-L5.0-W5.0-P1.20_HL-5050RGBW-S1-A27]  -437.99 9.29 315 top
LED587  -  [LED-SMD_8P-L5.0-W5.0-P1.20_HL-5050RGBW-S1-A27]  -437.99 1.89 225 top
LED588  -  [LED-SMD_8P-L5.0-W5.0-P1.20_HL-5050RGBW-S1-A27]  -445.39 1.89 135 top
LED589  -  [LED-SMD_8P-L5.0-W5.0-P1.20_HL-5050RGBW-S1-A27]  -430.39 9.29 45 top
LED590  -  [LED-SMD_8P-L5.0-W5.0-P1.20_HL-5050RGBW-S1-A27]  -422.99 9.29 315 top
LED591  -  [LED-SMD_8P-L5.0-W5.0-P1.20_HL-5050RGBW-S1-A27]  -422.99 1.89 225 top
LED592  -  [LED-SMD_8P-L5.0-W5.0-P1.20_HL-5050RGBW-S1-A27]  -430.39 1.89 135 top
LED593  -  [LED-SMD_8P-L5.0-W5.0-P1.20_HL-5050RGBW-S1-A27]  -423.39 24.29 45 top
LED594  -  [LED-SMD_8P-L5.0-W5.0-P1.20_HL-5050RGBW-S1-A27]  -415.99 24.29 315 top
LED595  -  [LED-SMD_8P-L5.0-W5.0-P1.20_HL-5050RGBW-S1-A27]  -415.99 16.89 225 top
LED596  -  [LED-SMD_8P-L5.0-W5.0-P1.20_HL-5050RGBW-S1-A27]  -423.39 16.89 135 top
LED597  -  [LED-SMD_8P-L5.0-W5.0-P1.20_HL-5050RGBW-S1-A27]  -408.39 24.29 45 top
LED598  -  [LED-SMD_8P-L5.0-W5.0-P1.20_HL-5050RGBW-S1-A27]  -400.99 24.29 315 top
LED599  -  [LED-SMD_8P-L5.0-W5.0-P1.20_HL-5050RGBW-S1-A27]  -400.99 16.89 225 top
LED600  -  [LED-SMD_8P-L5.0-W5.0-P1.20_HL-5050RGBW-S1-A27]  -408.39 16.89 135 top